# KiCad board panel.kicad_pcb (continued)
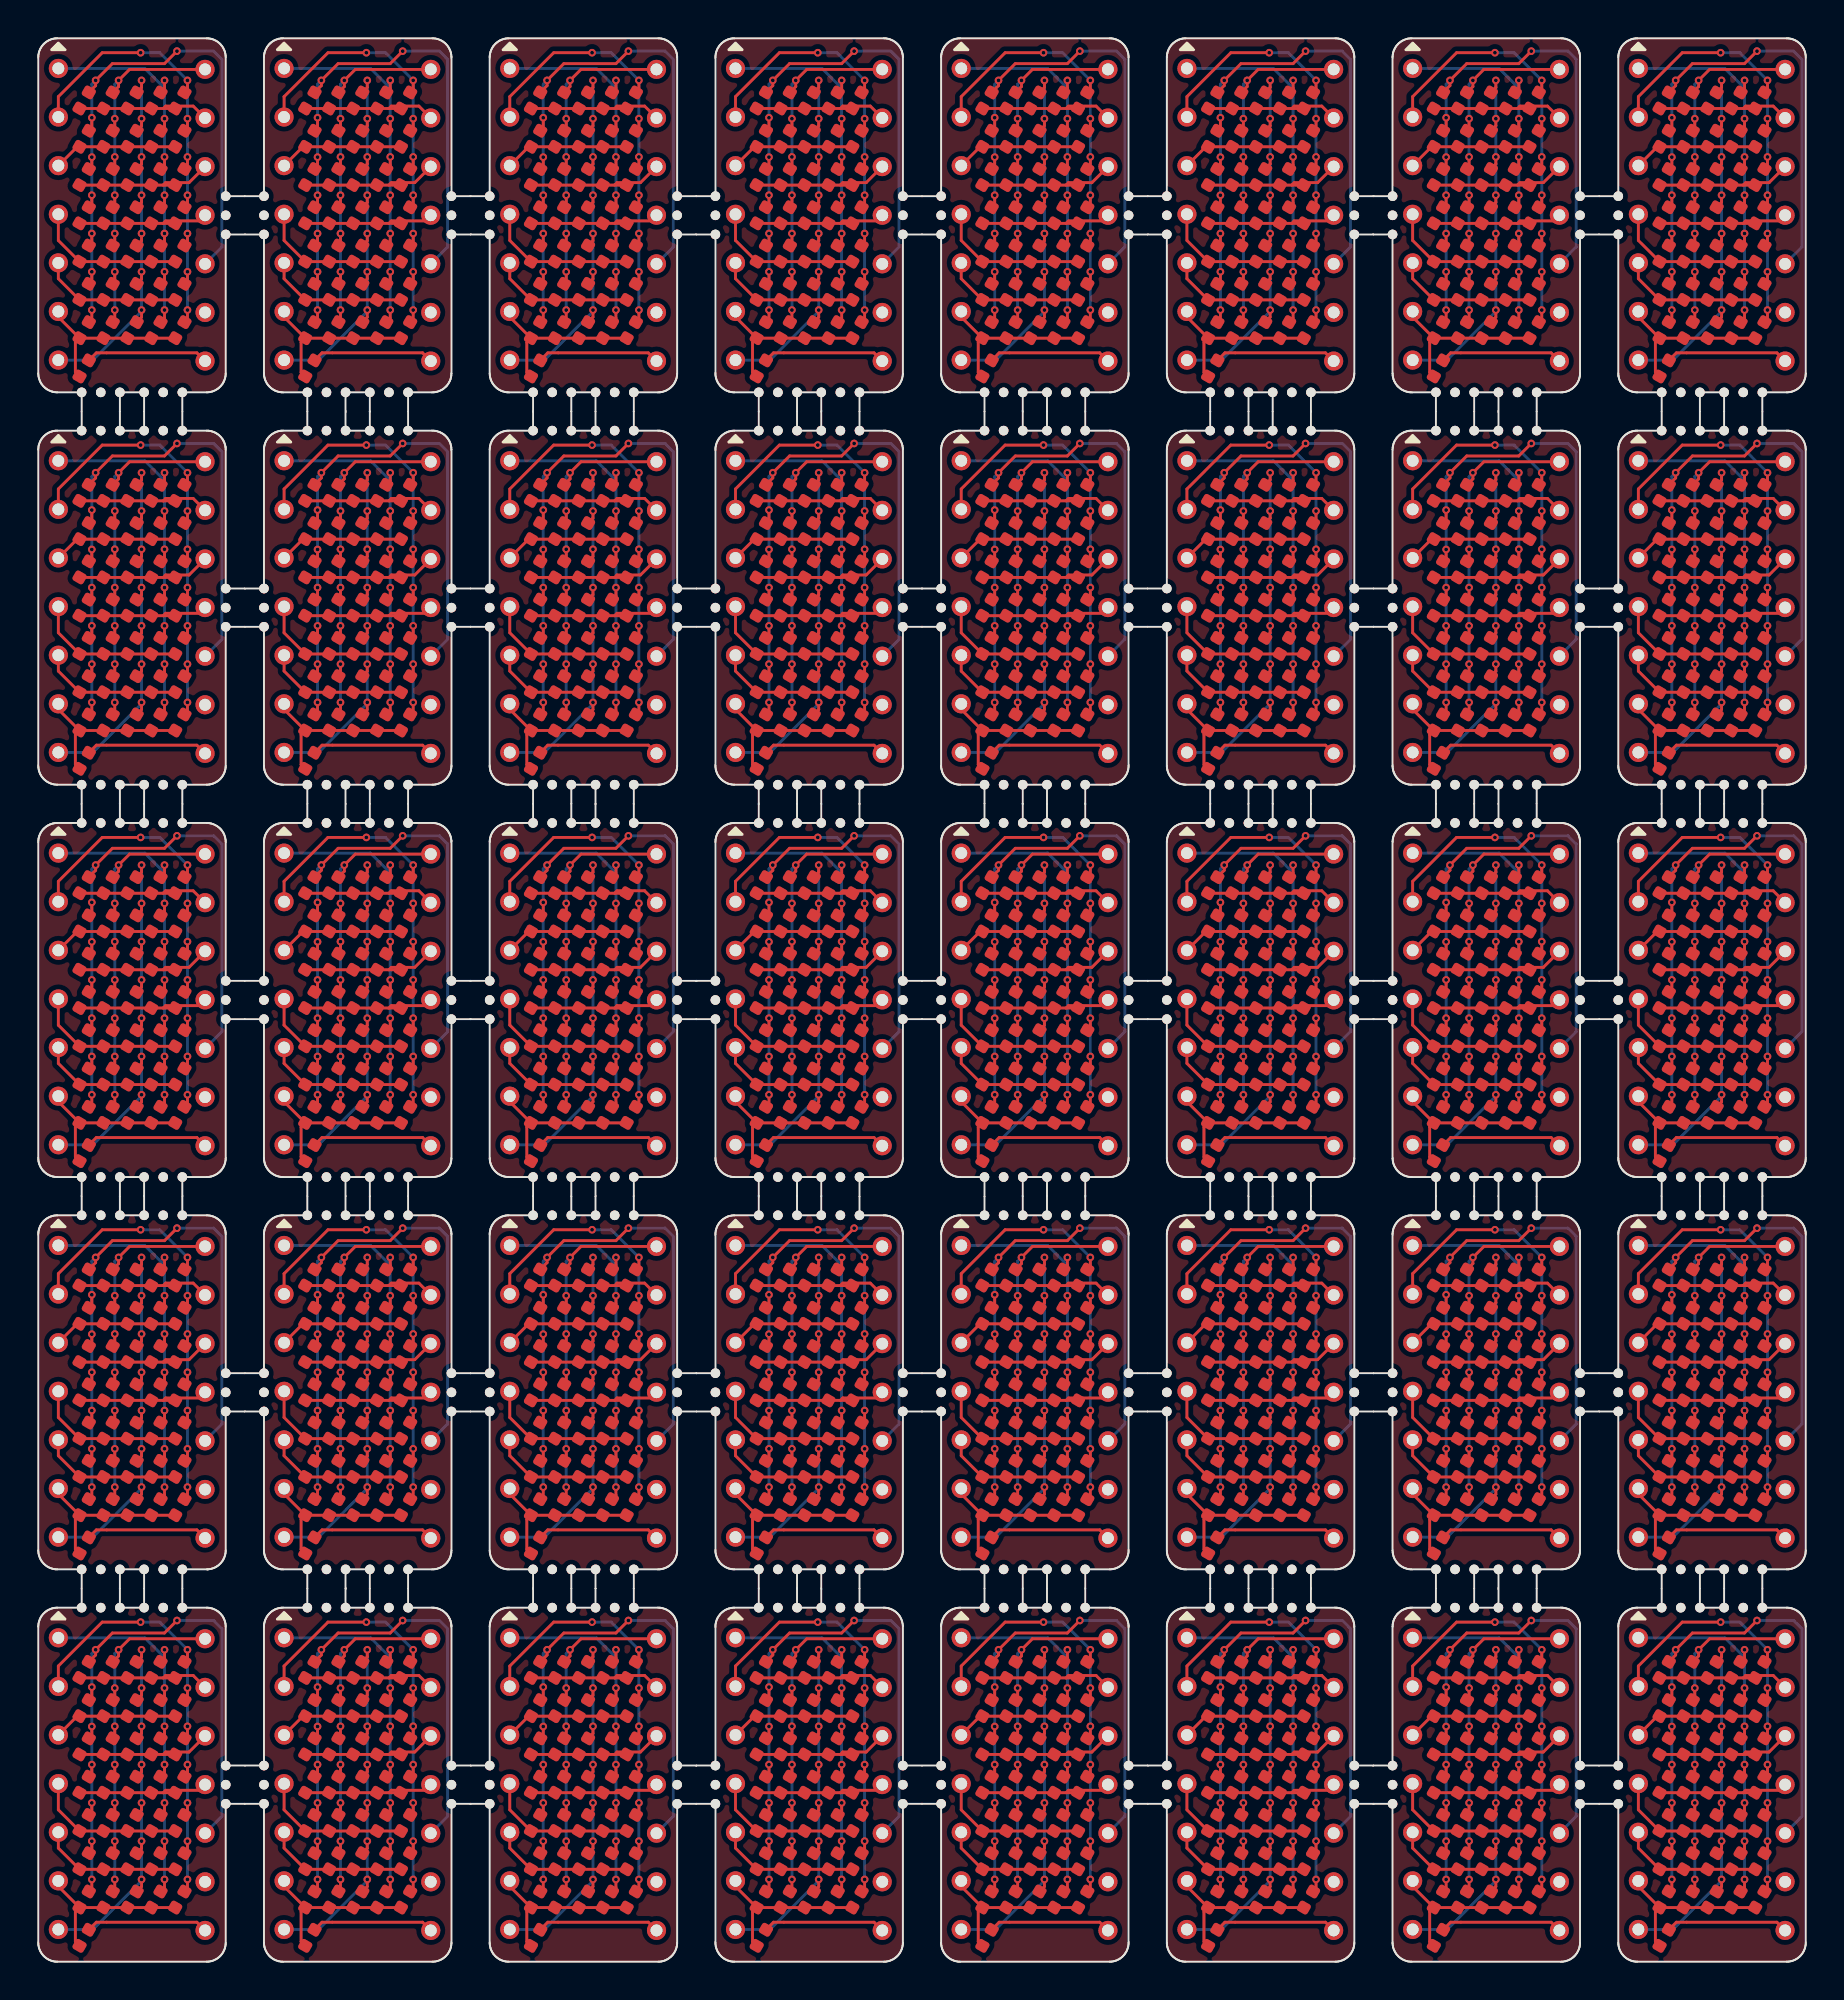
[diagram p0: board, top side]
## Placement (name value [footprint] x y rotation side) (continued)
D9#12  LED  [LED_0402_1005Metric]  3.65 97.25 60 top
D9#13  LED  [LED_0402_1005Metric]  86.25 76.75 60 top
D9#14  LED  [LED_0402_1005Metric]  3.65 76.75 60 top
D9#15  LED  [LED_0402_1005Metric]  39.05 35.75 60 top
D9#16  LED  [LED_0402_1005Metric]  62.65 15.25 60 top
D9#17  LED  [LED_0402_1005Metric]  50.85 35.75 60 top
D9#18  LED  [LED_0402_1005Metric]  3.65 15.25 60 top
D9#19  LED  [LED_0402_1005Metric]  74.45 56.25 60 top
D9#20  LED  [LED_0402_1005Metric]  86.25 35.75 60 top
D9#21  LED  [LED_0402_1005Metric]  74.45 97.25 60 top
D9#22  LED  [LED_0402_1005Metric]  74.45 76.75 60 top
D9#23  LED  [LED_0402_1005Metric]  27.25 97.25 60 top
D9#24  LED  [LED_0402_1005Metric]  62.65 56.25 60 top
D9#25  LED  [LED_0402_1005Metric]  15.45 15.25 60 top
D9#26  LED  [LED_0402_1005Metric]  15.45 56.25 60 top
D9#27  LED  [LED_0402_1005Metric]  15.45 35.75 60 top
D9#28  LED  [LED_0402_1005Metric]  27.25 35.75 60 top
D9#29  LED  [LED_0402_1005Metric]  3.65 56.25 60 top
D9#30  LED  [LED_0402_1005Metric]  3.65 35.75 60 top
D9#31  LED  [LED_0402_1005Metric]  39.05 97.25 60 top
D9#32  LED  [LED_0402_1005Metric]  74.45 15.25 60 top
D9#33  LED  [LED_0402_1005Metric]  15.45 76.75 60 top
D9#34  LED  [LED_0402_1005Metric]  50.85 15.25 60 top
D9#35  LED  [LED_0402_1005Metric]  86.25 15.25 60 top
D9#36  LED  [LED_0402_1005Metric]  50.85 97.25 60 top
D9#37  LED  [LED_0402_1005Metric]  62.65 35.75 60 top
D9#38  LED  [LED_0402_1005Metric]  27.25 76.75 60 top
D9#39  LED  [LED_0402_1005Metric]  86.25 97.25 60 top
D9#40  LED  [LED_0402_1005Metric]  62.65 76.75 60 top
D10  LED  [LED_0402_1005Metric]  27.25 95.25 60 top
D10#2  LED  [LED_0402_1005Metric]  3.65 13.25 60 top
D10#3  LED  [LED_0402_1005Metric]  62.65 13.25 60 top
D10#4  LED  [LED_0402_1005Metric]  27.25 33.75 60 top
D10#5  LED  [LED_0402_1005Metric]  74.45 54.25 60 top
D10#6  LED  [LED_0402_1005Metric]  27.25 54.25 60 top
D10#7  LED  [LED_0402_1005Metric]  15.45 74.75 60 top
D10#8  LED  [LED_0402_1005Metric]  50.85 95.25 60 top
D10#9  LED  [LED_0402_1005Metric]  15.45 54.25 60 top
D10#10  LED  [LED_0402_1005Metric]  74.45 74.75 60 top
D10#11  LED  [LED_0402_1005Metric]  27.25 13.25 60 top
D10#12  LED  [LED_0402_1005Metric]  50.85 33.75 60 top
D10#13  LED  [LED_0402_1005Metric]  62.65 54.25 60 top
D10#14  LED  [LED_0402_1005Metric]  15.45 33.75 60 top
D10#15  LED  [LED_0402_1005Metric]  3.65 74.75 60 top
D10#16  LED  [LED_0402_1005Metric]  3.65 33.75 60 top
D10#17  LED  [LED_0402_1005Metric]  3.65 54.25 60 top
D10#18  LED  [LED_0402_1005Metric]  50.85 74.75 60 top
D10#19  LED  [LED_0402_1005Metric]  39.05 54.25 60 top
D10#20  LED  [LED_0402_1005Metric]  62.65 33.75 60 top
D10#21  LED  [LED_0402_1005Metric]  86.25 74.75 60 top
D10#22  LED  [LED_0402_1005Metric]  86.25 95.25 60 top
D10#23  LED  [LED_0402_1005Metric]  39.05 74.75 60 top
D10#24  LED  [LED_0402_1005Metric]  39.05 13.25 60 top
D10#25  LED  [LED_0402_1005Metric]  50.85 13.25 60 top
D10#26  LED  [LED_0402_1005Metric]  74.45 13.25 60 top
D10#27  LED  [LED_0402_1005Metric]  86.25 33.75 60 top
D10#28  LED  [LED_0402_1005Metric]  86.25 13.25 60 top
D10#29  LED  [LED_0402_1005Metric]  15.45 13.25 60 top
D10#30  LED  [LED_0402_1005Metric]  50.85 54.25 60 top
D10#31  LED  [LED_0402_1005Metric]  74.45 33.75 60 top
D10#32  LED  [LED_0402_1005Metric]  86.25 54.25 60 top
D10#33  LED  [LED_0402_1005Metric]  62.65 95.25 60 top
D10#34  LED  [LED_0402_1005Metric]  3.65 95.25 60 top
D10#35  LED  [LED_0402_1005Metric]  74.45 95.25 60 top
D10#36  LED  [LED_0402_1005Metric]  39.05 95.25 60 top
D10#37  LED  [LED_0402_1005Metric]  27.25 74.75 60 top
D10#38  LED  [LED_0402_1005Metric]  39.05 33.75 60 top
D10#39  LED  [LED_0402_1005Metric]  15.45 95.25 60 top
D10#40  LED  [LED_0402_1005Metric]  62.65 74.75 60 top
D11  LED  [LED_0402_1005Metric]  74.45 52.25 60 top
D11#2  LED  [LED_0402_1005Metric]  27.25 72.75 60 top
D11#3  LED  [LED_0402_1005Metric]  86.25 72.75 60 top
D11#4  LED  [LED_0402_1005Metric]  86.25 52.25 60 top
D11#5  LED  [LED_0402_1005Metric]  62.65 11.25 60 top
D11#6  LED  [LED_0402_1005Metric]  50.85 72.75 60 top
D11#7  LED  [LED_0402_1005Metric]  39.05 93.25 60 top
D11#8  LED  [LED_0402_1005Metric]  3.65 11.25 60 top
D11#9  LED  [LED_0402_1005Metric]  74.45 72.75 60 top
D11#10  LED  [LED_0402_1005Metric]  39.05 52.25 60 top
D11#11  LED  [LED_0402_1005Metric]  15.45 31.75 60 top
D11#12  LED  [LED_0402_1005Metric]  86.25 93.25 60 top
D11#13  LED  [LED_0402_1005Metric]  3.65 31.75 60 top
D11#14  LED  [LED_0402_1005Metric]  15.45 72.75 60 top
D11#15  LED  [LED_0402_1005Metric]  27.25 31.75 60 top
D11#16  LED  [LED_0402_1005Metric]  27.25 93.25 60 top
D11#17  LED  [LED_0402_1005Metric]  27.25 11.25 60 top
D11#18  LED  [LED_0402_1005Metric]  74.45 31.75 60 top
D11#19  LED  [LED_0402_1005Metric]  39.05 11.25 60 top
D11#20  LED  [LED_0402_1005Metric]  86.25 11.25 60 top
D11#21  LED  [LED_0402_1005Metric]  15.45 11.25 60 top
D11#22  LED  [LED_0402_1005Metric]  62.65 93.25 60 top
D11#23  LED  [LED_0402_1005Metric]  39.05 72.75 60 top
D11#24  LED  [LED_0402_1005Metric]  50.85 11.25 60 top
D11#25  LED  [LED_0402_1005Metric]  62.65 72.75 60 top
D11#26  LED  [LED_0402_1005Metric]  50.85 31.75 60 top
D11#27  LED  [LED_0402_1005Metric]  15.45 93.25 60 top
D11#28  LED  [LED_0402_1005Metric]  74.45 11.25 60 top
D11#29  LED  [LED_0402_1005Metric]  62.65 31.75 60 top
D11#30  LED  [LED_0402_1005Metric]  3.65 72.75 60 top
D11#31  LED  [LED_0402_1005Metric]  27.25 52.25 60 top
D11#32  LED  [LED_0402_1005Metric]  3.65 93.25 60 top
D11#33  LED  [LED_0402_1005Metric]  39.05 31.75 60 top
D11#34  LED  [LED_0402_1005Metric]  50.85 93.25 60 top
D11#35  LED  [LED_0402_1005Metric]  86.25 31.75 60 top
D11#36  LED  [LED_0402_1005Metric]  50.85 52.25 60 top
D11#37  LED  [LED_0402_1005Metric]  3.65 52.25 60 top
D11#38  LED  [LED_0402_1005Metric]  15.45 52.25 60 top
D11#39  LED  [LED_0402_1005Metric]  74.45 93.25 60 top
D11#40  LED  [LED_0402_1005Metric]  62.65 52.25 60 top
D12  LED  [LED_0402_1005Metric]  3.65 29.75 60 top
D12#2  LED  [LED_0402_1005Metric]  39.05 70.75 60 top
D12#3  LED  [LED_0402_1005Metric]  86.25 70.75 60 top
D12#4  LED  [LED_0402_1005Metric]  3.65 91.25 60 top
D12#5  LED  [LED_0402_1005Metric]  50.85 29.75 60 top
D12#6  LED  [LED_0402_1005Metric]  27.25 70.75 60 top
D12#7  LED  [LED_0402_1005Metric]  62.65 9.25 60 top
D12#8  LED  [LED_0402_1005Metric]  27.25 9.25 60 top
D12#9  LED  [LED_0402_1005Metric]  39.05 91.25 60 top
D12#10  LED  [LED_0402_1005Metric]  62.65 70.75 60 top
D12#11  LED  [LED_0402_1005Metric]  86.25 50.25 60 top
D12#12  LED  [LED_0402_1005Metric]  74.45 50.25 60 top
D12#13  LED  [LED_0402_1005Metric]  74.45 9.25 60 top
D12#14  LED  [LED_0402_1005Metric]  27.25 29.75 60 top
D12#15  LED  [LED_0402_1005Metric]  3.65 70.75 60 top
D12#16  LED  [LED_0402_1005Metric]  50.85 9.25 60 top
D12#17  LED  [LED_0402_1005Metric]  39.05 9.25 60 top
D12#18  LED  [LED_0402_1005Metric]  3.65 50.25 60 top
D12#19  LED  [LED_0402_1005Metric]  15.45 50.25 60 top
D12#20  LED  [LED_0402_1005Metric]  62.65 91.25 60 top
D12#21  LED  [LED_0402_1005Metric]  39.05 29.75 60 top
D12#22  LED  [LED_0402_1005Metric]  15.45 70.75 60 top
D12#23  LED  [LED_0402_1005Metric]  86.25 29.75 60 top
D12#24  LED  [LED_0402_1005Metric]  50.85 91.25 60 top
D12#25  LED  [LED_0402_1005Metric]  74.45 29.75 60 top
D12#26  LED  [LED_0402_1005Metric]  86.25 9.25 60 top
D12#27  LED  [LED_0402_1005Metric]  74.45 91.25 60 top
D12#28  LED  [LED_0402_1005Metric]  27.25 91.25 60 top
D12#29  LED  [LED_0402_1005Metric]  86.25 91.25 60 top
D12#30  LED  [LED_0402_1005Metric]  15.45 29.75 60 top
D12#31  LED  [LED_0402_1005Metric]  62.65 29.75 60 top
D12#32  LED  [LED_0402_1005Metric]  74.45 70.75 60 top
D12#33  LED  [LED_0402_1005Metric]  15.45 91.25 60 top
D12#34  LED  [LED_0402_1005Metric]  39.05 50.25 60 top
D12#35  LED  [LED_0402_1005Metric]  62.65 50.25 60 top
D12#36  LED  [LED_0402_1005Metric]  15.45 9.25 60 top
D12#37  LED  [LED_0402_1005Metric]  50.85 70.75 60 top
D12#38  LED  [LED_0402_1005Metric]  3.65 9.25 60 top
D12#39  LED  [LED_0402_1005Metric]  27.25 50.25 60 top
D12#40  LED  [LED_0402_1005Metric]  50.85 50.25 60 top
D13  LED  [LED_0402_1005Metric]  74.45 7.25 60 top
D13#2  LED  [LED_0402_1005Metric]  62.65 68.75 60 top
D13#3  LED  [LED_0402_1005Metric]  86.25 48.25 60 top
D13#4  LED  [LED_0402_1005Metric]  50.85 48.25 60 top
D13#5  LED  [LED_0402_1005Metric]  86.25 27.75 60 top
D13#6  LED  [LED_0402_1005Metric]  15.45 27.75 60 top
D13#7  LED  [LED_0402_1005Metric]  50.85 7.25 60 top
D13#8  LED  [LED_0402_1005Metric]  15.45 89.25 60 top
D13#9  LED  [LED_0402_1005Metric]  74.45 48.25 60 top
D13#10  LED  [LED_0402_1005Metric]  3.65 27.75 60 top
D13#11  LED  [LED_0402_1005Metric]  74.45 27.75 60 top
D13#12  LED  [LED_0402_1005Metric]  3.65 7.25 60 top
D13#13  LED  [LED_0402_1005Metric]  3.65 89.25 60 top
D13#14  LED  [LED_0402_1005Metric]  27.25 89.25 60 top
D13#15  LED  [LED_0402_1005Metric]  39.05 48.25 60 top
D13#16  LED  [LED_0402_1005Metric]  39.05 7.25 60 top
D13#17  LED  [LED_0402_1005Metric]  15.45 68.75 60 top
D13#18  LED  [LED_0402_1005Metric]  74.45 68.75 60 top
D13#19  LED  [LED_0402_1005Metric]  50.85 89.25 60 top
D13#20  LED  [LED_0402_1005Metric]  27.25 7.25 60 top
D13#21  LED  [LED_0402_1005Metric]  74.45 89.25 60 top
D13#22  LED  [LED_0402_1005Metric]  50.85 27.75 60 top
D13#23  LED  [LED_0402_1005Metric]  86.25 68.75 60 top
D13#24  LED  [LED_0402_1005Metric]  3.65 68.75 60 top
D13#25  LED  [LED_0402_1005Metric]  86.25 89.25 60 top
D13#26  LED  [LED_0402_1005Metric]  62.65 48.25 60 top
D13#27  LED  [LED_0402_1005Metric]  27.25 27.75 60 top
D13#28  LED  [LED_0402_1005Metric]  62.65 7.25 60 top
D13#29  LED  [LED_0402_1005Metric]  62.65 27.75 60 top
D13#30  LED  [LED_0402_1005Metric]  3.65 48.25 60 top
D13#31  LED  [LED_0402_1005Metric]  27.25 48.25 60 top
D13#32  LED  [LED_0402_1005Metric]  15.45 48.25 60 top
D13#33  LED  [LED_0402_1005Metric]  62.65 89.25 60 top
D13#34  LED  [LED_0402_1005Metric]  39.05 27.75 60 top
D13#35  LED  [LED_0402_1005Metric]  15.45 7.25 60 top
D13#36  LED  [LED_0402_1005Metric]  39.05 68.75 60 top
D13#37  LED  [LED_0402_1005Metric]  27.25 68.75 60 top
D13#38  LED  [LED_0402_1005Metric]  86.25 7.25 60 top
D13#39  LED  [LED_0402_1005Metric]  50.85 68.75 60 top
D13#40  LED  [LED_0402_1005Metric]  39.05 89.25 60 top
D14  LED  [LED_0402_1005Metric]  39.05 46.25 60 top
D14#2  LED  [LED_0402_1005Metric]  86.25 25.75 60 top
D14#3  LED  [LED_0402_1005Metric]  74.45 66.75 60 top
D14#4  LED  [LED_0402_1005Metric]  62.65 46.25 60 top
D14#5  LED  [LED_0402_1005Metric]  74.45 25.75 60 top
D14#6  LED  [LED_0402_1005Metric]  3.65 25.75 60 top
D14#7  LED  [LED_0402_1005Metric]  27.25 5.25 60 top
D14#8  LED  [LED_0402_1005Metric]  50.85 46.25 60 top
D14#9  LED  [LED_0402_1005Metric]  39.05 5.25 60 top
D14#10  LED  [LED_0402_1005Metric]  15.45 25.75 60 top
D14#11  LED  [LED_0402_1005Metric]  86.25 66.75 60 top
D14#12  LED  [LED_0402_1005Metric]  50.85 5.25 60 top
D14#13  LED  [LED_0402_1005Metric]  3.65 66.75 60 top
D14#14  LED  [LED_0402_1005Metric]  86.25 87.25 60 top
D14#15  LED  [LED_0402_1005Metric]  15.45 46.25 60 top
D14#16  LED  [LED_0402_1005Metric]  39.05 66.75 60 top
D14#17  LED  [LED_0402_1005Metric]  3.65 5.25 60 top
D14#18  LED  [LED_0402_1005Metric]  15.45 5.25 60 top
D14#19  LED  [LED_0402_1005Metric]  3.65 87.25 60 top
D14#20  LED  [LED_0402_1005Metric]  27.25 25.75 60 top
D14#21  LED  [LED_0402_1005Metric]  62.65 5.25 60 top
D14#22  LED  [LED_0402_1005Metric]  15.45 87.25 60 top
D14#23  LED  [LED_0402_1005Metric]  27.25 46.25 60 top
D14#24  LED  [LED_0402_1005Metric]  62.65 66.75 60 top
D14#25  LED  [LED_0402_1005Metric]  27.25 66.75 60 top
D14#26  LED  [LED_0402_1005Metric]  62.65 25.75 60 top
D14#27  LED  [LED_0402_1005Metric]  74.45 46.25 60 top
D14#28  LED  [LED_0402_1005Metric]  86.25 5.25 60 top
D14#29  LED  [LED_0402_1005Metric]  50.85 25.75 60 top
D14#30  LED  [LED_0402_1005Metric]  3.65 46.25 60 top
D14#31  LED  [LED_0402_1005Metric]  39.05 25.75 60 top
D14#32  LED  [LED_0402_1005Metric]  27.25 87.25 60 top
D14#33  LED  [LED_0402_1005Metric]  15.45 66.75 60 top
D14#34  LED  [LED_0402_1005Metric]  86.25 46.25 60 top
D14#35  LED  [LED_0402_1005Metric]  74.45 5.25 60 top
D14#36  LED  [LED_0402_1005Metric]  50.85 66.75 60 top
D14#37  LED  [LED_0402_1005Metric]  39.05 87.25 60 top
D14#38  LED  [LED_0402_1005Metric]  50.85 87.25 60 top
D14#39  LED  [LED_0402_1005Metric]  62.65 87.25 60 top
D14#40  LED  [LED_0402_1005Metric]  74.45 87.25 60 top
D15  LED  [LED_0402_1005Metric]  27.25 85.25 60 top
D15#2  LED  [LED_0402_1005Metric]  3.65 44.25 60 top
D15#3  LED  [LED_0402_1005Metric]  3.65 23.75 60 top
D15#4  LED  [LED_0402_1005Metric]  62.65 44.25 60 top
D15#5  LED  [LED_0402_1005Metric]  15.45 64.75 60 top
D15#6  LED  [LED_0402_1005Metric]  86.25 3.25 60 top
D15#7  LED  [LED_0402_1005Metric]  39.05 44.25 60 top
D15#8  LED  [LED_0402_1005Metric]  15.45 44.25 60 top
D15#9  LED  [LED_0402_1005Metric]  3.65 85.25 60 top
D15#10  LED  [LED_0402_1005Metric]  50.85 23.75 60 top
D15#11  LED  [LED_0402_1005Metric]  27.25 23.75 60 top
D15#12  LED  [LED_0402_1005Metric]  50.85 85.25 60 top
D15#13  LED  [LED_0402_1005Metric]  50.85 44.25 60 top
D15#14  LED  [LED_0402_1005Metric]  74.45 44.25 60 top
D15#15  LED  [LED_0402_1005Metric]  39.05 23.75 60 top
D15#16  LED  [LED_0402_1005Metric]  74.45 64.75 60 top
D15#17  LED  [LED_0402_1005Metric]  74.45 23.75 60 top
D15#18  LED  [LED_0402_1005Metric]  62.65 23.75 60 top
D15#19  LED  [LED_0402_1005Metric]  27.25 64.75 60 top
D15#20  LED  [LED_0402_1005Metric]  27.25 44.25 60 top
D15#21  LED  [LED_0402_1005Metric]  15.45 85.25 60 top
D15#22  LED  [LED_0402_1005Metric]  3.65 3.25 60 top
D15#23  LED  [LED_0402_1005Metric]  74.45 85.25 60 top
D15#24  LED  [LED_0402_1005Metric]  62.65 3.25 60 top
D15#25  LED  [LED_0402_1005Metric]  15.45 3.25 60 top
D15#26  LED  [LED_0402_1005Metric]  86.25 85.25 60 top
D15#27  LED  [LED_0402_1005Metric]  62.65 85.25 60 top
D15#28  LED  [LED_0402_1005Metric]  39.05 3.25 60 top
D15#29  LED  [LED_0402_1005Metric]  50.85 3.25 60 top
D15#30  LED  [LED_0402_1005Metric]  15.45 23.75 60 top
D15#31  LED  [LED_0402_1005Metric]  86.25 44.25 60 top
D15#32  LED  [LED_0402_1005Metric]  3.65 64.75 60 top
D15#33  LED  [LED_0402_1005Metric]  62.65 64.75 60 top
D15#34  LED  [LED_0402_1005Metric]  74.45 3.25 60 top
D15#35  LED  [LED_0402_1005Metric]  39.05 64.75 60 top
D15#36  LED  [LED_0402_1005Metric]  50.85 64.75 60 top
D15#37  LED  [LED_0402_1005Metric]  86.25 23.75 60 top
D15#38  LED  [LED_0402_1005Metric]  39.05 85.25 60 top
D15#39  LED  [LED_0402_1005Metric]  27.25 3.25 60 top
D15#40  LED  [LED_0402_1005Metric]  86.25 64.75 60 top
D16  LED  [LED_0402_1005Metric]  28.5 35.75 60 top
D16#2  LED  [LED_0402_1005Metric]  63.9 35.75 60 top
D16#3  LED  [LED_0402_1005Metric]  4.9 97.25 60 top
D16#4  LED  [LED_0402_1005Metric]  16.7 97.25 60 top
D16#5  LED  [LED_0402_1005Metric]  87.5 15.25 60 top
D16#6  LED  [LED_0402_1005Metric]  63.9 76.75 60 top
D16#7  LED  [LED_0402_1005Metric]  87.5 76.75 60 top
D16#8  LED  [LED_0402_1005Metric]  4.9 56.25 60 top
D16#9  LED  [LED_0402_1005Metric]  63.9 56.25 60 top
D16#10  LED  [LED_0402_1005Metric]  40.3 35.75 60 top
D16#11  LED  [LED_0402_1005Metric]  52.1 76.75 60 top
D16#12  LED  [LED_0402_1005Metric]  16.7 76.75 60 top
D16#13  LED  [LED_0402_1005Metric]  63.9 15.25 60 top
D16#14  LED  [LED_0402_1005Metric]  40.3 76.75 60 top
D16#15  LED  [LED_0402_1005Metric]  40.3 97.25 60 top
D16#16  LED  [LED_0402_1005Metric]  75.7 56.25 60 top
D16#17  LED  [LED_0402_1005Metric]  87.5 35.75 60 top
D16#18  LED  [LED_0402_1005Metric]  4.9 76.75 60 top
D16#19  LED  [LED_0402_1005Metric]  16.7 56.25 60 top
D16#20  LED  [LED_0402_1005Metric]  4.9 15.25 60 top
D16#21  LED  [LED_0402_1005Metric]  52.1 35.75 60 top
D16#22  LED  [LED_0402_1005Metric]  75.7 15.25 60 top
D16#23  LED  [LED_0402_1005Metric]  40.3 15.25 60 top
D16#24  LED  [LED_0402_1005Metric]  87.5 97.25 60 top
D16#25  LED  [LED_0402_1005Metric]  16.7 35.75 60 top
D16#26  LED  [LED_0402_1005Metric]  28.5 97.25 60 top
D16#27  LED  [LED_0402_1005Metric]  87.5 56.25 60 top
D16#28  LED  [LED_0402_1005Metric]  75.7 97.25 60 top
D16#29  LED  [LED_0402_1005Metric]  75.7 35.75 60 top
D16#30  LED  [LED_0402_1005Metric]  16.7 15.25 60 top
D16#31  LED  [LED_0402_1005Metric]  28.5 15.25 60 top
D16#32  LED  [LED_0402_1005Metric]  28.5 56.25 60 top
D16#33  LED  [LED_0402_1005Metric]  52.1 97.25 60 top
D16#34  LED  [LED_0402_1005Metric]  52.1 15.25 60 top
D16#35  LED  [LED_0402_1005Metric]  75.7 76.75 60 top
D16#36  LED  [LED_0402_1005Metric]  4.9 35.75 60 top
D16#37  LED  [LED_0402_1005Metric]  40.3 56.25 60 top
D16#38  LED  [LED_0402_1005Metric]  52.1 56.25 60 top
D16#39  LED  [LED_0402_1005Metric]  28.5 76.75 60 top
D16#40  LED  [LED_0402_1005Metric]  63.9 97.25 60 top
D17  LED  [LED_0402_1005Metric]  28.5 54.25 60 top
D17#2  LED  [LED_0402_1005Metric]  63.9 95.25 60 top
D17#3  LED  [LED_0402_1005Metric]  75.7 13.25 60 top
D17#4  LED  [LED_0402_1005Metric]  75.7 74.75 60 top
D17#5  LED  [LED_0402_1005Metric]  75.7 33.75 60 top
D17#6  LED  [LED_0402_1005Metric]  16.7 95.25 60 top
D17#7  LED  [LED_0402_1005Metric]  52.1 13.25 60 top
D17#8  LED  [LED_0402_1005Metric]  87.5 33.75 60 top
D17#9  LED  [LED_0402_1005Metric]  75.7 54.25 60 top
D17#10  LED  [LED_0402_1005Metric]  87.5 74.75 60 top
D17#11  LED  [LED_0402_1005Metric]  4.9 74.75 60 top
D17#12  LED  [LED_0402_1005Metric]  63.9 13.25 60 top
D17#13  LED  [LED_0402_1005Metric]  28.5 95.25 60 top
D17#14  LED  [LED_0402_1005Metric]  40.3 95.25 60 top
D17#15  LED  [LED_0402_1005Metric]  63.9 54.25 60 top
D17#16  LED  [LED_0402_1005Metric]  75.7 95.25 60 top
D17#17  LED  [LED_0402_1005Metric]  40.3 33.75 60 top
D17#18  LED  [LED_0402_1005Metric]  4.9 95.25 60 top
D17#19  LED  [LED_0402_1005Metric]  16.7 74.75 60 top
D17#20  LED  [LED_0402_1005Metric]  87.5 54.25 60 top
D17#21  LED  [LED_0402_1005Metric]  87.5 13.25 60 top
D17#22  LED  [LED_0402_1005Metric]  16.7 54.25 60 top
D17#23  LED  [LED_0402_1005Metric]  63.9 33.75 60 top
D17#24  LED  [LED_0402_1005Metric]  16.7 33.75 60 top
D17#25  LED  [LED_0402_1005Metric]  28.5 74.75 60 top
D17#26  LED  [LED_0402_1005Metric]  40.3 54.25 60 top
D17#27  LED  [LED_0402_1005Metric]  16.7 13.25 60 top
D17#28  LED  [LED_0402_1005Metric]  52.1 95.25 60 top
D17#29  LED  [LED_0402_1005Metric]  52.1 74.75 60 top
D17#30  LED  [LED_0402_1005Metric]  4.9 33.75 60 top
D17#31  LED  [LED_0402_1005Metric]  40.3 74.75 60 top
D17#32  LED  [LED_0402_1005Metric]  87.5 95.25 60 top
D17#33  LED  [LED_0402_1005Metric]  52.1 54.25 60 top
D17#34  LED  [LED_0402_1005Metric]  40.3 13.25 60 top
D17#35  LED  [LED_0402_1005Metric]  52.1 33.75 60 top
D17#36  LED  [LED_0402_1005Metric]  4.9 54.25 60 top
D17#37  LED  [LED_0402_1005Metric]  4.9 13.25 60 top
D17#38  LED  [LED_0402_1005Metric]  28.5 33.75 60 top
D17#39  LED  [LED_0402_1005Metric]  63.9 74.75 60 top
D17#40  LED  [LED_0402_1005Metric]  28.5 13.25 60 top
D18  LED  [LED_0402_1005Metric]  52.1 72.75 60 top
D18#2  LED  [LED_0402_1005Metric]  63.9 72.75 60 top
D18#3  LED  [LED_0402_1005Metric]  40.3 52.25 60 top
D18#4  LED  [LED_0402_1005Metric]  16.7 72.75 60 top
D18#5  LED  [LED_0402_1005Metric]  40.3 93.25 60 top
D18#6  LED  [LED_0402_1005Metric]  4.9 52.25 60 top
D18#7  LED  [LED_0402_1005Metric]  75.7 93.25 60 top
D18#8  LED  [LED_0402_1005Metric]  87.5 93.25 60 top
D18#9  LED  [LED_0402_1005Metric]  75.7 52.25 60 top
D18#10  LED  [LED_0402_1005Metric]  28.5 31.75 60 top
D18#11  LED  [LED_0402_1005Metric]  4.9 93.25 60 top
D18#12  LED  [LED_0402_1005Metric]  63.9 52.25 60 top
D18#13  LED  [LED_0402_1005Metric]  87.5 31.75 60 top
D18#14  LED  [LED_0402_1005Metric]  75.7 31.75 60 top
D18#15  LED  [LED_0402_1005Metric]  28.5 93.25 60 top
D18#16  LED  [LED_0402_1005Metric]  40.3 72.75 60 top
D18#17  LED  [LED_0402_1005Metric]  16.7 93.25 60 top
D18#18  LED  [LED_0402_1005Metric]  63.9 31.75 60 top
D18#19  LED  [LED_0402_1005Metric]  16.7 11.25 60 top
D18#20  LED  [LED_0402_1005Metric]  16.7 31.75 60 top
D18#21  LED  [LED_0402_1005Metric]  52.1 11.25 60 top
D18#22  LED  [LED_0402_1005Metric]  75.7 72.75 60 top
D18#23  LED  [LED_0402_1005Metric]  75.7 11.25 60 top
D18#24  LED  [LED_0402_1005Metric]  52.1 52.25 60 top
D18#25  LED  [LED_0402_1005Metric]  28.5 72.75 60 top
D18#26  LED  [LED_0402_1005Metric]  40.3 31.75 60 top
D18#27  LED  [LED_0402_1005Metric]  63.9 11.25 60 top
D18#28  LED  [LED_0402_1005Metric]  4.9 11.25 60 top
D18#29  LED  [LED_0402_1005Metric]  87.5 72.75 60 top
D18#30  LED  [LED_0402_1005Metric]  40.3 11.25 60 top
D18#31  LED  [LED_0402_1005Metric]  16.7 52.25 60 top
D18#32  LED  [LED_0402_1005Metric]  87.5 11.25 60 top
D18#33  LED  [LED_0402_1005Metric]  4.9 31.75 60 top
D18#34  LED  [LED_0402_1005Metric]  52.1 31.75 60 top
D18#35  LED  [LED_0402_1005Metric]  52.1 93.25 60 top
D18#36  LED  [LED_0402_1005Metric]  63.9 93.25 60 top
D18#37  LED  [LED_0402_1005Metric]  28.5 11.25 60 top
D18#38  LED  [LED_0402_1005Metric]  4.9 72.75 60 top
D18#39  LED  [LED_0402_1005Metric]  28.5 52.25 60 top
D18#40  LED  [LED_0402_1005Metric]  87.5 52.25 60 top
D19  LED  [LED_0402_1005Metric]  16.7 91.25 60 top
D19#2  LED  [LED_0402_1005Metric]  16.7 9.25 60 top
D19#3  LED  [LED_0402_1005Metric]  87.5 50.25 60 top
D19#4  LED  [LED_0402_1005Metric]  40.3 29.75 60 top
D19#5  LED  [LED_0402_1005Metric]  63.9 9.25 60 top
D19#6  LED  [LED_0402_1005Metric]  52.1 50.25 60 top
D19#7  LED  [LED_0402_1005Metric]  28.5 70.75 60 top
D19#8  LED  [LED_0402_1005Metric]  52.1 70.75 60 top
D19#9  LED  [LED_0402_1005Metric]  75.7 29.75 60 top
D19#10  LED  [LED_0402_1005Metric]  52.1 9.25 60 top
D19#11  LED  [LED_0402_1005Metric]  52.1 91.25 60 top
D19#12  LED  [LED_0402_1005Metric]  28.5 50.25 60 top
D19#13  LED  [LED_0402_1005Metric]  40.3 9.25 60 top
D19#14  LED  [LED_0402_1005Metric]  63.9 29.75 60 top
D19#15  LED  [LED_0402_1005Metric]  63.9 50.25 60 top
D19#16  LED  [LED_0402_1005Metric]  40.3 70.75 60 top
D19#17  LED  [LED_0402_1005Metric]  87.5 91.25 60 top
D19#18  LED  [LED_0402_1005Metric]  75.7 9.25 60 top
D19#19  LED  [LED_0402_1005Metric]  4.9 9.25 60 top
D19#20  LED  [LED_0402_1005Metric]  75.7 70.75 60 top
D19#21  LED  [LED_0402_1005Metric]  40.3 91.25 60 top
D19#22  LED  [LED_0402_1005Metric]  4.9 70.75 60 top
D19#23  LED  [LED_0402_1005Metric]  4.9 50.25 60 top
D19#24  LED  [LED_0402_1005Metric]  28.5 29.75 60 top
D19#25  LED  [LED_0402_1005Metric]  87.5 29.75 60 top
D19#26  LED  [LED_0402_1005Metric]  16.7 29.75 60 top
D19#27  LED  [LED_0402_1005Metric]  63.9 91.25 60 top
D19#28  LED  [LED_0402_1005Metric]  63.9 70.75 60 top
D19#29  LED  [LED_0402_1005Metric]  40.3 50.25 60 top
D19#30  LED  [LED_0402_1005Metric]  16.7 70.75 60 top
D19#31  LED  [LED_0402_1005Metric]  75.7 91.25 60 top
D19#32  LED  [LED_0402_1005Metric]  16.7 50.25 60 top
D19#33  LED  [LED_0402_1005Metric]  87.5 9.25 60 top
D19#34  LED  [LED_0402_1005Metric]  75.7 50.25 60 top
D19#35  LED  [LED_0402_1005Metric]  4.9 91.25 60 top
D19#36  LED  [LED_0402_1005Metric]  28.5 9.25 60 top
D19#37  LED  [LED_0402_1005Metric]  28.5 91.25 60 top
D19#38  LED  [LED_0402_1005Metric]  87.5 70.75 60 top
D19#39  LED  [LED_0402_1005Metric]  52.1 29.75 60 top
D19#40  LED  [LED_0402_1005Metric]  4.9 29.75 60 top
D20  LED  [LED_0402_1005Metric]  16.7 48.25 60 top
D20#2  LED  [LED_0402_1005Metric]  63.9 68.75 60 top
D20#3  LED  [LED_0402_1005Metric]  87.5 68.75 60 top
D20#4  LED  [LED_0402_1005Metric]  4.9 7.25 60 top
D20#5  LED  [LED_0402_1005Metric]  75.7 48.25 60 top
D20#6  LED  [LED_0402_1005Metric]  4.9 48.25 60 top
D20#7  LED  [LED_0402_1005Metric]  40.3 48.25 60 top
D20#8  LED  [LED_0402_1005Metric]  28.5 89.25 60 top
D20#9  LED  [LED_0402_1005Metric]  87.5 89.25 60 top
D20#10  LED  [LED_0402_1005Metric]  28.5 7.25 60 top
D20#11  LED  [LED_0402_1005Metric]  40.3 89.25 60 top
D20#12  LED  [LED_0402_1005Metric]  63.9 48.25 60 top
D20#13  LED  [LED_0402_1005Metric]  75.7 68.75 60 top
D20#14  LED  [LED_0402_1005Metric]  4.9 89.25 60 top
D20#15  LED  [LED_0402_1005Metric]  52.1 27.75 60 top
D20#16  LED  [LED_0402_1005Metric]  16.7 68.75 60 top
D20#17  LED  [LED_0402_1005Metric]  63.9 27.75 60 top
D20#18  LED  [LED_0402_1005Metric]  16.7 7.25 60 top
D20#19  LED  [LED_0402_1005Metric]  40.3 7.25 60 top
D20#20  LED  [LED_0402_1005Metric]  63.9 89.25 60 top
D20#21  LED  [LED_0402_1005Metric]  28.5 48.25 60 top
D20#22  LED  [LED_0402_1005Metric]  16.7 89.25 60 top
D20#23  LED  [LED_0402_1005Metric]  16.7 27.75 60 top
D20#24  LED  [LED_0402_1005Metric]  87.5 48.25 60 top
D20#25  LED  [LED_0402_1005Metric]  87.5 7.25 60 top
D20#26  LED  [LED_0402_1005Metric]  75.7 27.75 60 top
D20#27  LED  [LED_0402_1005Metric]  28.5 27.75 60 top
D20#28  LED  [LED_0402_1005Metric]  87.5 27.75 60 top
D20#29  LED  [LED_0402_1005Metric]  4.9 27.75 60 top
D20#30  LED  [LED_0402_1005Metric]  40.3 68.75 60 top
D20#31  LED  [LED_0402_1005Metric]  63.9 7.25 60 top
D20#32  LED  [LED_0402_1005Metric]  28.5 68.75 60 top
D20#33  LED  [LED_0402_1005Metric]  40.3 27.75 60 top
D20#34  LED  [LED_0402_1005Metric]  52.1 89.25 60 top
D20#35  LED  [LED_0402_1005Metric]  52.1 48.25 60 top
D20#36  LED  [LED_0402_1005Metric]  52.1 7.25 60 top
D20#37  LED  [LED_0402_1005Metric]  75.7 89.25 60 top
D20#38  LED  [LED_0402_1005Metric]  52.1 68.75 60 top
D20#39  LED  [LED_0402_1005Metric]  4.9 68.75 60 top
D20#40  LED  [LED_0402_1005Metric]  75.7 7.25 60 top
D21  LED  [LED_0402_1005Metric]  87.5 66.75 60 top
D21#2  LED  [LED_0402_1005Metric]  4.9 66.75 60 top
D21#3  LED  [LED_0402_1005Metric]  52.1 46.25 60 top
D21#4  LED  [LED_0402_1005Metric]  63.9 87.25 60 top
D21#5  LED  [LED_0402_1005Metric]  16.7 25.75 60 top
D21#6  LED  [LED_0402_1005Metric]  28.5 66.75 60 top
D21#7  LED  [LED_0402_1005Metric]  40.3 25.75 60 top
D21#8  LED  [LED_0402_1005Metric]  4.9 87.25 60 top
D21#9  LED  [LED_0402_1005Metric]  16.7 5.25 60 top
D21#10  LED  [LED_0402_1005Metric]  63.9 46.25 60 top
D21#11  LED  [LED_0402_1005Metric]  4.9 5.25 60 top
D21#12  LED  [LED_0402_1005Metric]  75.7 25.75 60 top
D21#13  LED  [LED_0402_1005Metric]  16.7 46.25 60 top
D21#14  LED  [LED_0402_1005Metric]  87.5 87.25 60 top
D21#15  LED  [LED_0402_1005Metric]  16.7 66.75 60 top
D21#16  LED  [LED_0402_1005Metric]  87.5 25.75 60 top
D21#17  LED  [LED_0402_1005Metric]  28.5 87.25 60 top
D21#18  LED  [LED_0402_1005Metric]  28.5 25.75 60 top
D21#19  LED  [LED_0402_1005Metric]  4.9 46.25 60 top
D21#20  LED  [LED_0402_1005Metric]  87.5 5.25 60 top
D21#21  LED  [LED_0402_1005Metric]  40.3 87.25 60 top
D21#22  LED  [LED_0402_1005Metric]  75.7 66.75 60 top
D21#23  LED  [LED_0402_1005Metric]  63.9 66.75 60 top
D21#24  LED  [LED_0402_1005Metric]  75.7 5.25 60 top
D21#25  LED  [LED_0402_1005Metric]  52.1 5.25 60 top
D21#26  LED  [LED_0402_1005Metric]  40.3 5.25 60 top
D21#27  LED  [LED_0402_1005Metric]  75.7 46.25 60 top
D21#28  LED  [LED_0402_1005Metric]  87.5 46.25 60 top
D21#29  LED  [LED_0402_1005Metric]  52.1 25.75 60 top
D21#30  LED  [LED_0402_1005Metric]  16.7 87.25 60 top
D21#31  LED  [LED_0402_1005Metric]  28.5 5.25 60 top
D21#32  LED  [LED_0402_1005Metric]  63.9 5.25 60 top
D21#33  LED  [LED_0402_1005Metric]  75.7 87.25 60 top
D21#34  LED  [LED_0402_1005Metric]  4.9 25.75 60 top
D21#35  LED  [LED_0402_1005Metric]  52.1 87.25 60 top
D21#36  LED  [LED_0402_1005Metric]  63.9 25.75 60 top
D21#37  LED  [LED_0402_1005Metric]  28.5 46.25 60 top
D21#38  LED  [LED_0402_1005Metric]  52.1 66.75 60 top
D21#39  LED  [LED_0402_1005Metric]  40.3 46.25 60 top
D21#40  LED  [LED_0402_1005Metric]  40.3 66.75 60 top
D22  LED  [LED_0402_1005Metric]  4.9 23.75 60 top
D22#2  LED  [LED_0402_1005Metric]  4.9 44.25 60 top
D22#3  LED  [LED_0402_1005Metric]  40.3 23.75 60 top
D22#4  LED  [LED_0402_1005Metric]  52.1 44.25 60 top
D22#5  LED  [LED_0402_1005Metric]  52.1 64.75 60 top
D22#6  LED  [LED_0402_1005Metric]  87.5 64.75 60 top
D22#7  LED  [LED_0402_1005Metric]  28.5 3.25 60 top
D22#8  LED  [LED_0402_1005Metric]  87.5 44.25 60 top
D22#9  LED  [LED_0402_1005Metric]  63.9 23.75 60 top
D22#10  LED  [LED_0402_1005Metric]  28.5 85.25 60 top
D22#11  LED  [LED_0402_1005Metric]  63.9 85.25 60 top
D22#12  LED  [LED_0402_1005Metric]  4.9 64.75 60 top
D22#13  LED  [LED_0402_1005Metric]  28.5 44.25 60 top
D22#14  LED  [LED_0402_1005Metric]  16.7 44.25 60 top
D22#15  LED  [LED_0402_1005Metric]  4.9 3.25 60 top
D22#16  LED  [LED_0402_1005Metric]  87.5 3.25 60 top
D22#17  LED  [LED_0402_1005Metric]  16.7 3.25 60 top
D22#18  LED  [LED_0402_1005Metric]  75.7 85.25 60 top
D22#19  LED  [LED_0402_1005Metric]  87.5 23.75 60 top
D22#20  LED  [LED_0402_1005Metric]  16.7 64.75 60 top
D22#21  LED  [LED_0402_1005Metric]  28.5 23.75 60 top
D22#22  LED  [LED_0402_1005Metric]  40.3 44.25 60 top
D22#23  LED  [LED_0402_1005Metric]  16.7 23.75 60 top
D22#24  LED  [LED_0402_1005Metric]  87.5 85.25 60 top
D22#25  LED  [LED_0402_1005Metric]  16.7 85.25 60 top
D22#26  LED  [LED_0402_1005Metric]  63.9 44.25 60 top
D22#27  LED  [LED_0402_1005Metric]  75.7 64.75 60 top
D22#28  LED  [LED_0402_1005Metric]  75.7 3.25 60 top
D22#29  LED  [LED_0402_1005Metric]  63.9 64.75 60 top
D22#30  LED  [LED_0402_1005Metric]  40.3 3.25 60 top
D22#31  LED  [LED_0402_1005Metric]  4.9 85.25 60 top
D22#32  LED  [LED_0402_1005Metric]  52.1 23.75 60 top
D22#33  LED  [LED_0402_1005Metric]  75.7 44.25 60 top
D22#34  LED  [LED_0402_1005Metric]  75.7 23.75 60 top
D22#35  LED  [LED_0402_1005Metric]  63.9 3.25 60 top
D22#36  LED  [LED_0402_1005Metric]  52.1 85.25 60 top
D22#37  LED  [LED_0402_1005Metric]  52.1 3.25 60 top
D22#38  LED  [LED_0402_1005Metric]  40.3 85.25 60 top
D22#39  LED  [LED_0402_1005Metric]  40.3 64.75 60 top
D22#40  LED  [LED_0402_1005Metric]  28.5 64.75 60 top
D23  LED  [LED_0402_1005Metric]  17.95 35.75 60 top
D23#2  LED  [LED_0402_1005Metric]  65.15 56.25 60 top
D23#3  LED  [LED_0402_1005Metric]  6.15 15.25 60 top
D23#4  LED  [LED_0402_1005Metric]  41.55 15.25 60 top
D23#5  LED  [LED_0402_1005Metric]  17.95 15.25 60 top
D23#6  LED  [LED_0402_1005Metric]  76.95 56.25 60 top
D23#7  LED  [LED_0402_1005Metric]  17.95 76.75 60 top
D23#8  LED  [LED_0402_1005Metric]  88.75 35.75 60 top
D23#9  LED  [LED_0402_1005Metric]  29.75 56.25 60 top
D23#10  LED  [LED_0402_1005Metric]  53.35 76.75 60 top
D23#11  LED  [LED_0402_1005Metric]  88.75 56.25 60 top
D23#12  LED  [LED_0402_1005Metric]  29.75 76.75 60 top
D23#13  LED  [LED_0402_1005Metric]  76.95 35.75 60 top
D23#14  LED  [LED_0402_1005Metric]  76.95 76.75 60 top
D23#15  LED  [LED_0402_1005Metric]  6.15 56.25 60 top
D23#16  LED  [LED_0402_1005Metric]  53.35 97.25 60 top
D23#17  LED  [LED_0402_1005Metric]  76.95 97.25 60 top
D23#18  LED  [LED_0402_1005Metric]  65.15 97.25 60 top
D23#19  LED  [LED_0402_1005Metric]  6.15 35.75 60 top
D23#20  LED  [LED_0402_1005Metric]  17.95 97.25 60 top
D23#21  LED  [LED_0402_1005Metric]  76.95 15.25 60 top
D23#22  LED  [LED_0402_1005Metric]  29.75 35.75 60 top
D23#23  LED  [LED_0402_1005Metric]  88.75 97.25 60 top
D23#24  LED  [LED_0402_1005Metric]  53.35 35.75 60 top
D23#25  LED  [LED_0402_1005Metric]  6.15 76.75 60 top
D23#26  LED  [LED_0402_1005Metric]  17.95 56.25 60 top
D23#27  LED  [LED_0402_1005Metric]  41.55 97.25 60 top
D23#28  LED  [LED_0402_1005Metric]  53.35 15.25 60 top
D23#29  LED  [LED_0402_1005Metric]  88.75 15.25 60 top
D23#30  LED  [LED_0402_1005Metric]  29.75 15.25 60 top
D23#31  LED  [LED_0402_1005Metric]  41.55 56.25 60 top
D23#32  LED  [LED_0402_1005Metric]  88.75 76.75 60 top
D23#33  LED  [LED_0402_1005Metric]  65.15 76.75 60 top
D23#34  LED  [LED_0402_1005Metric]  41.55 76.75 60 top
D23#35  LED  [LED_0402_1005Metric]  29.75 97.25 60 top
D23#36  LED  [LED_0402_1005Metric]  65.15 35.75 60 top
D23#37  LED  [LED_0402_1005Metric]  41.55 35.75 60 top
D23#38  LED  [LED_0402_1005Metric]  65.15 15.25 60 top
D23#39  LED  [LED_0402_1005Metric]  53.35 56.25 60 top
D23#40  LED  [LED_0402_1005Metric]  6.15 97.25 60 top
D24  LED  [LED_0402_1005Metric]  53.35 13.25 60 top
D24#2  LED  [LED_0402_1005Metric]  41.55 95.25 60 top
D24#3  LED  [LED_0402_1005Metric]  29.75 95.25 60 top
D24#4  LED  [LED_0402_1005Metric]  6.15 74.75 60 top
D24#5  LED  [LED_0402_1005Metric]  76.95 13.25 60 top
D24#6  LED  [LED_0402_1005Metric]  88.75 95.25 60 top
D24#7  LED  [LED_0402_1005Metric]  6.15 54.25 60 top
D24#8  LED  [LED_0402_1005Metric]  41.55 54.25 60 top
D24#9  LED  [LED_0402_1005Metric]  53.35 33.75 60 top
D24#10  LED  [LED_0402_1005Metric]  17.95 13.25 60 top
D24#11  LED  [LED_0402_1005Metric]  53.35 74.75 60 top
D24#12  LED  [LED_0402_1005Metric]  29.75 74.75 60 top
D24#13  LED  [LED_0402_1005Metric]  88.75 54.25 60 top
